# Altium PCB TE0723.PcbDoc (part 1 of 3)
Units mm, origin at the board's own origin, x right, y up, seen from the top; angles counter-clockwise.
Board outline 53.34 x 68.58 mm, 8 copper layers (L 01, L 02, L 03, L 04, L 05, L 06, L 07, L 08), stack 1.565 mm thick; 205 components, 250 nets, 1014 pads, 526 vias.
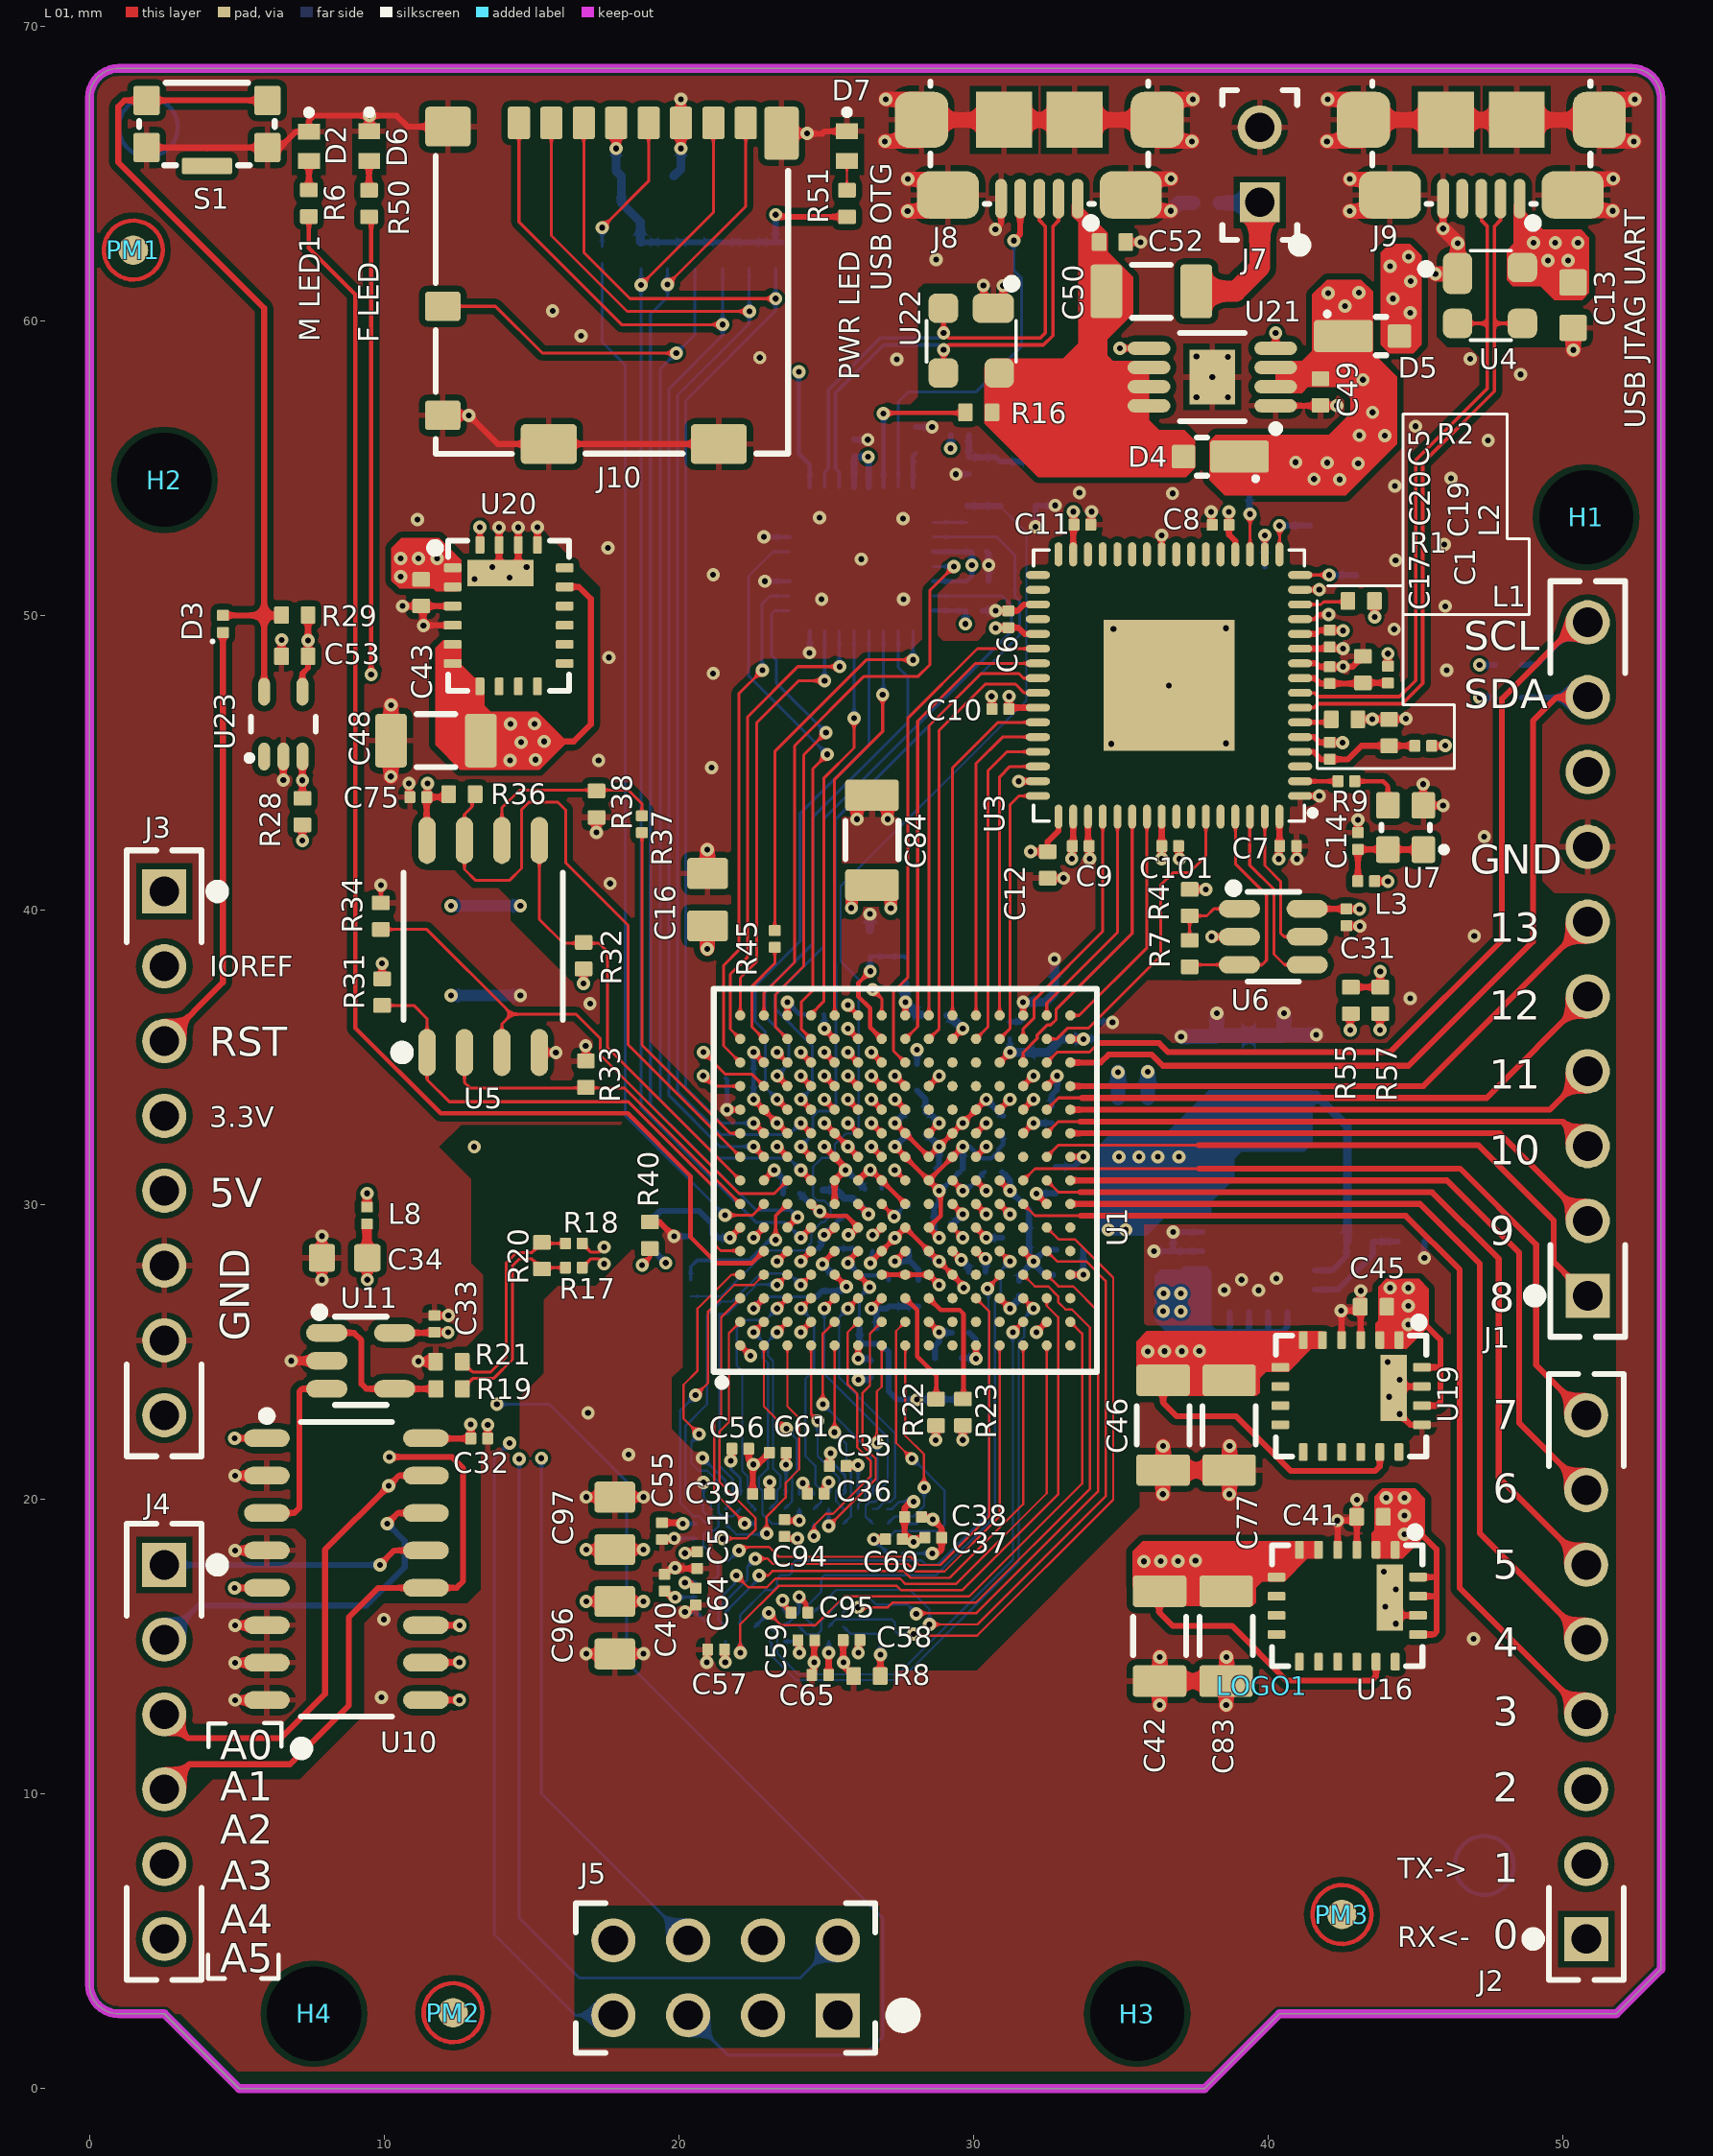
[diagram p0: L 01 view]
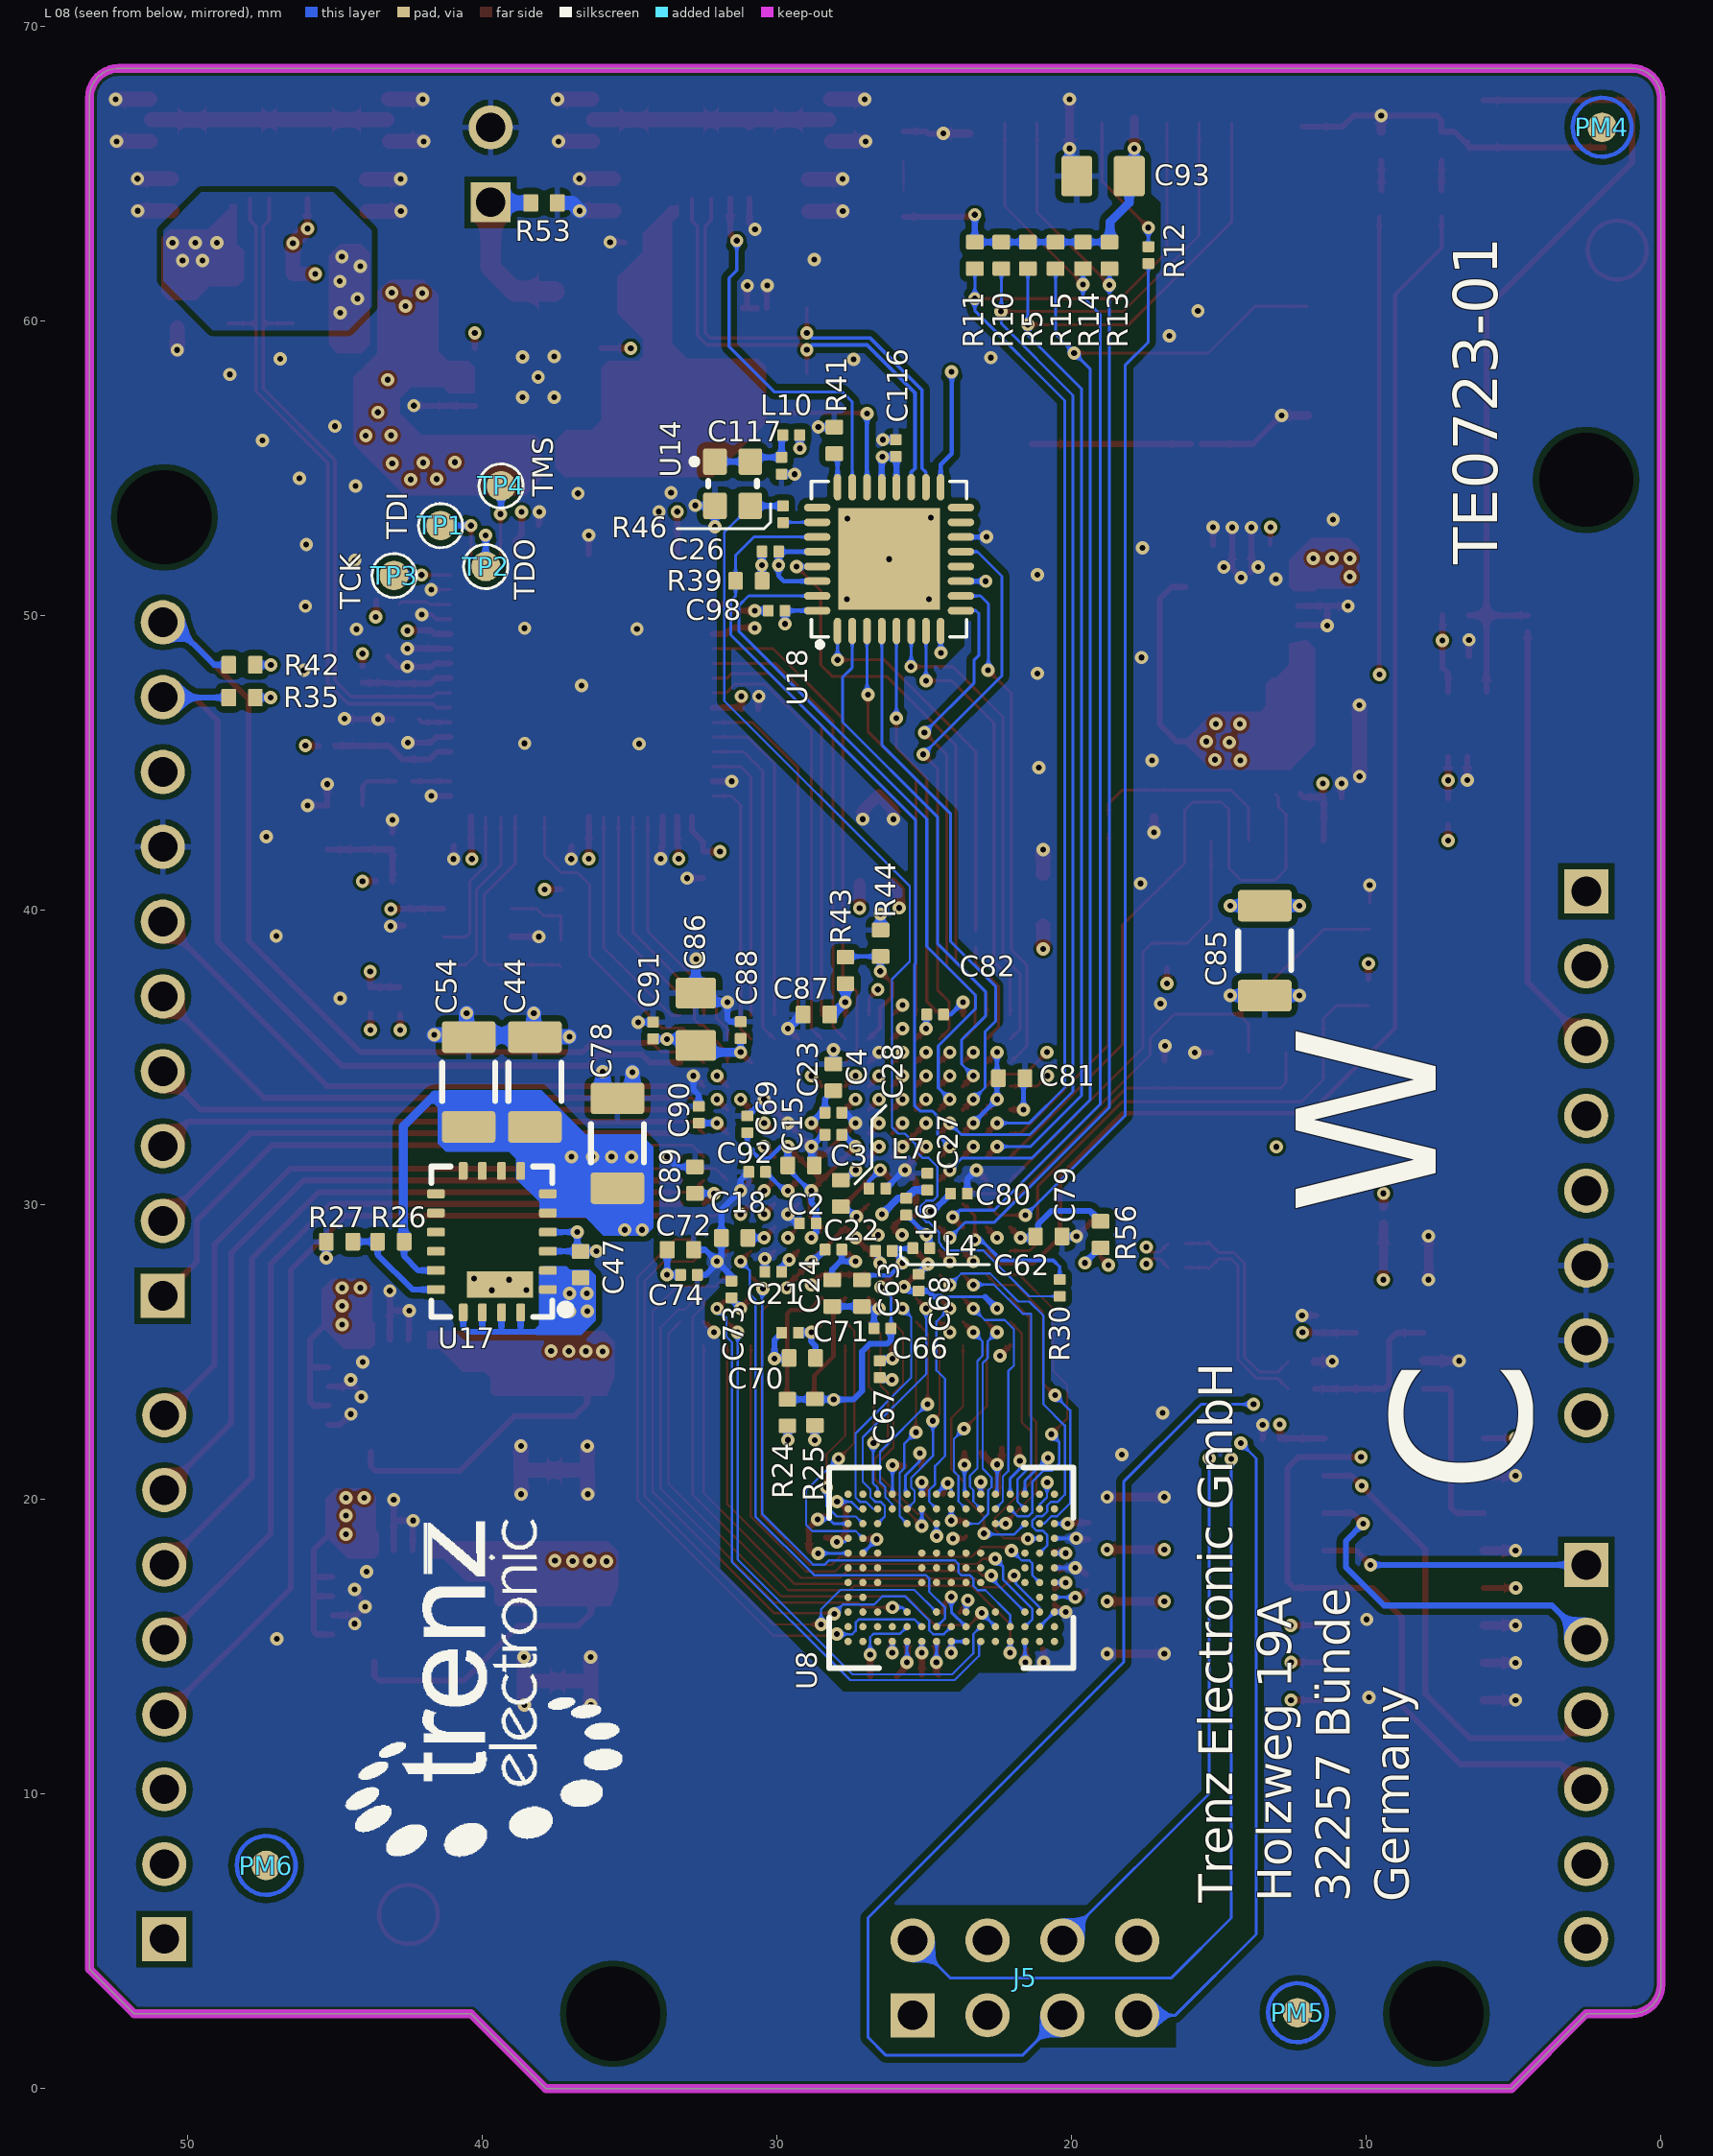
[diagram p1: L 08 view, seen from below]
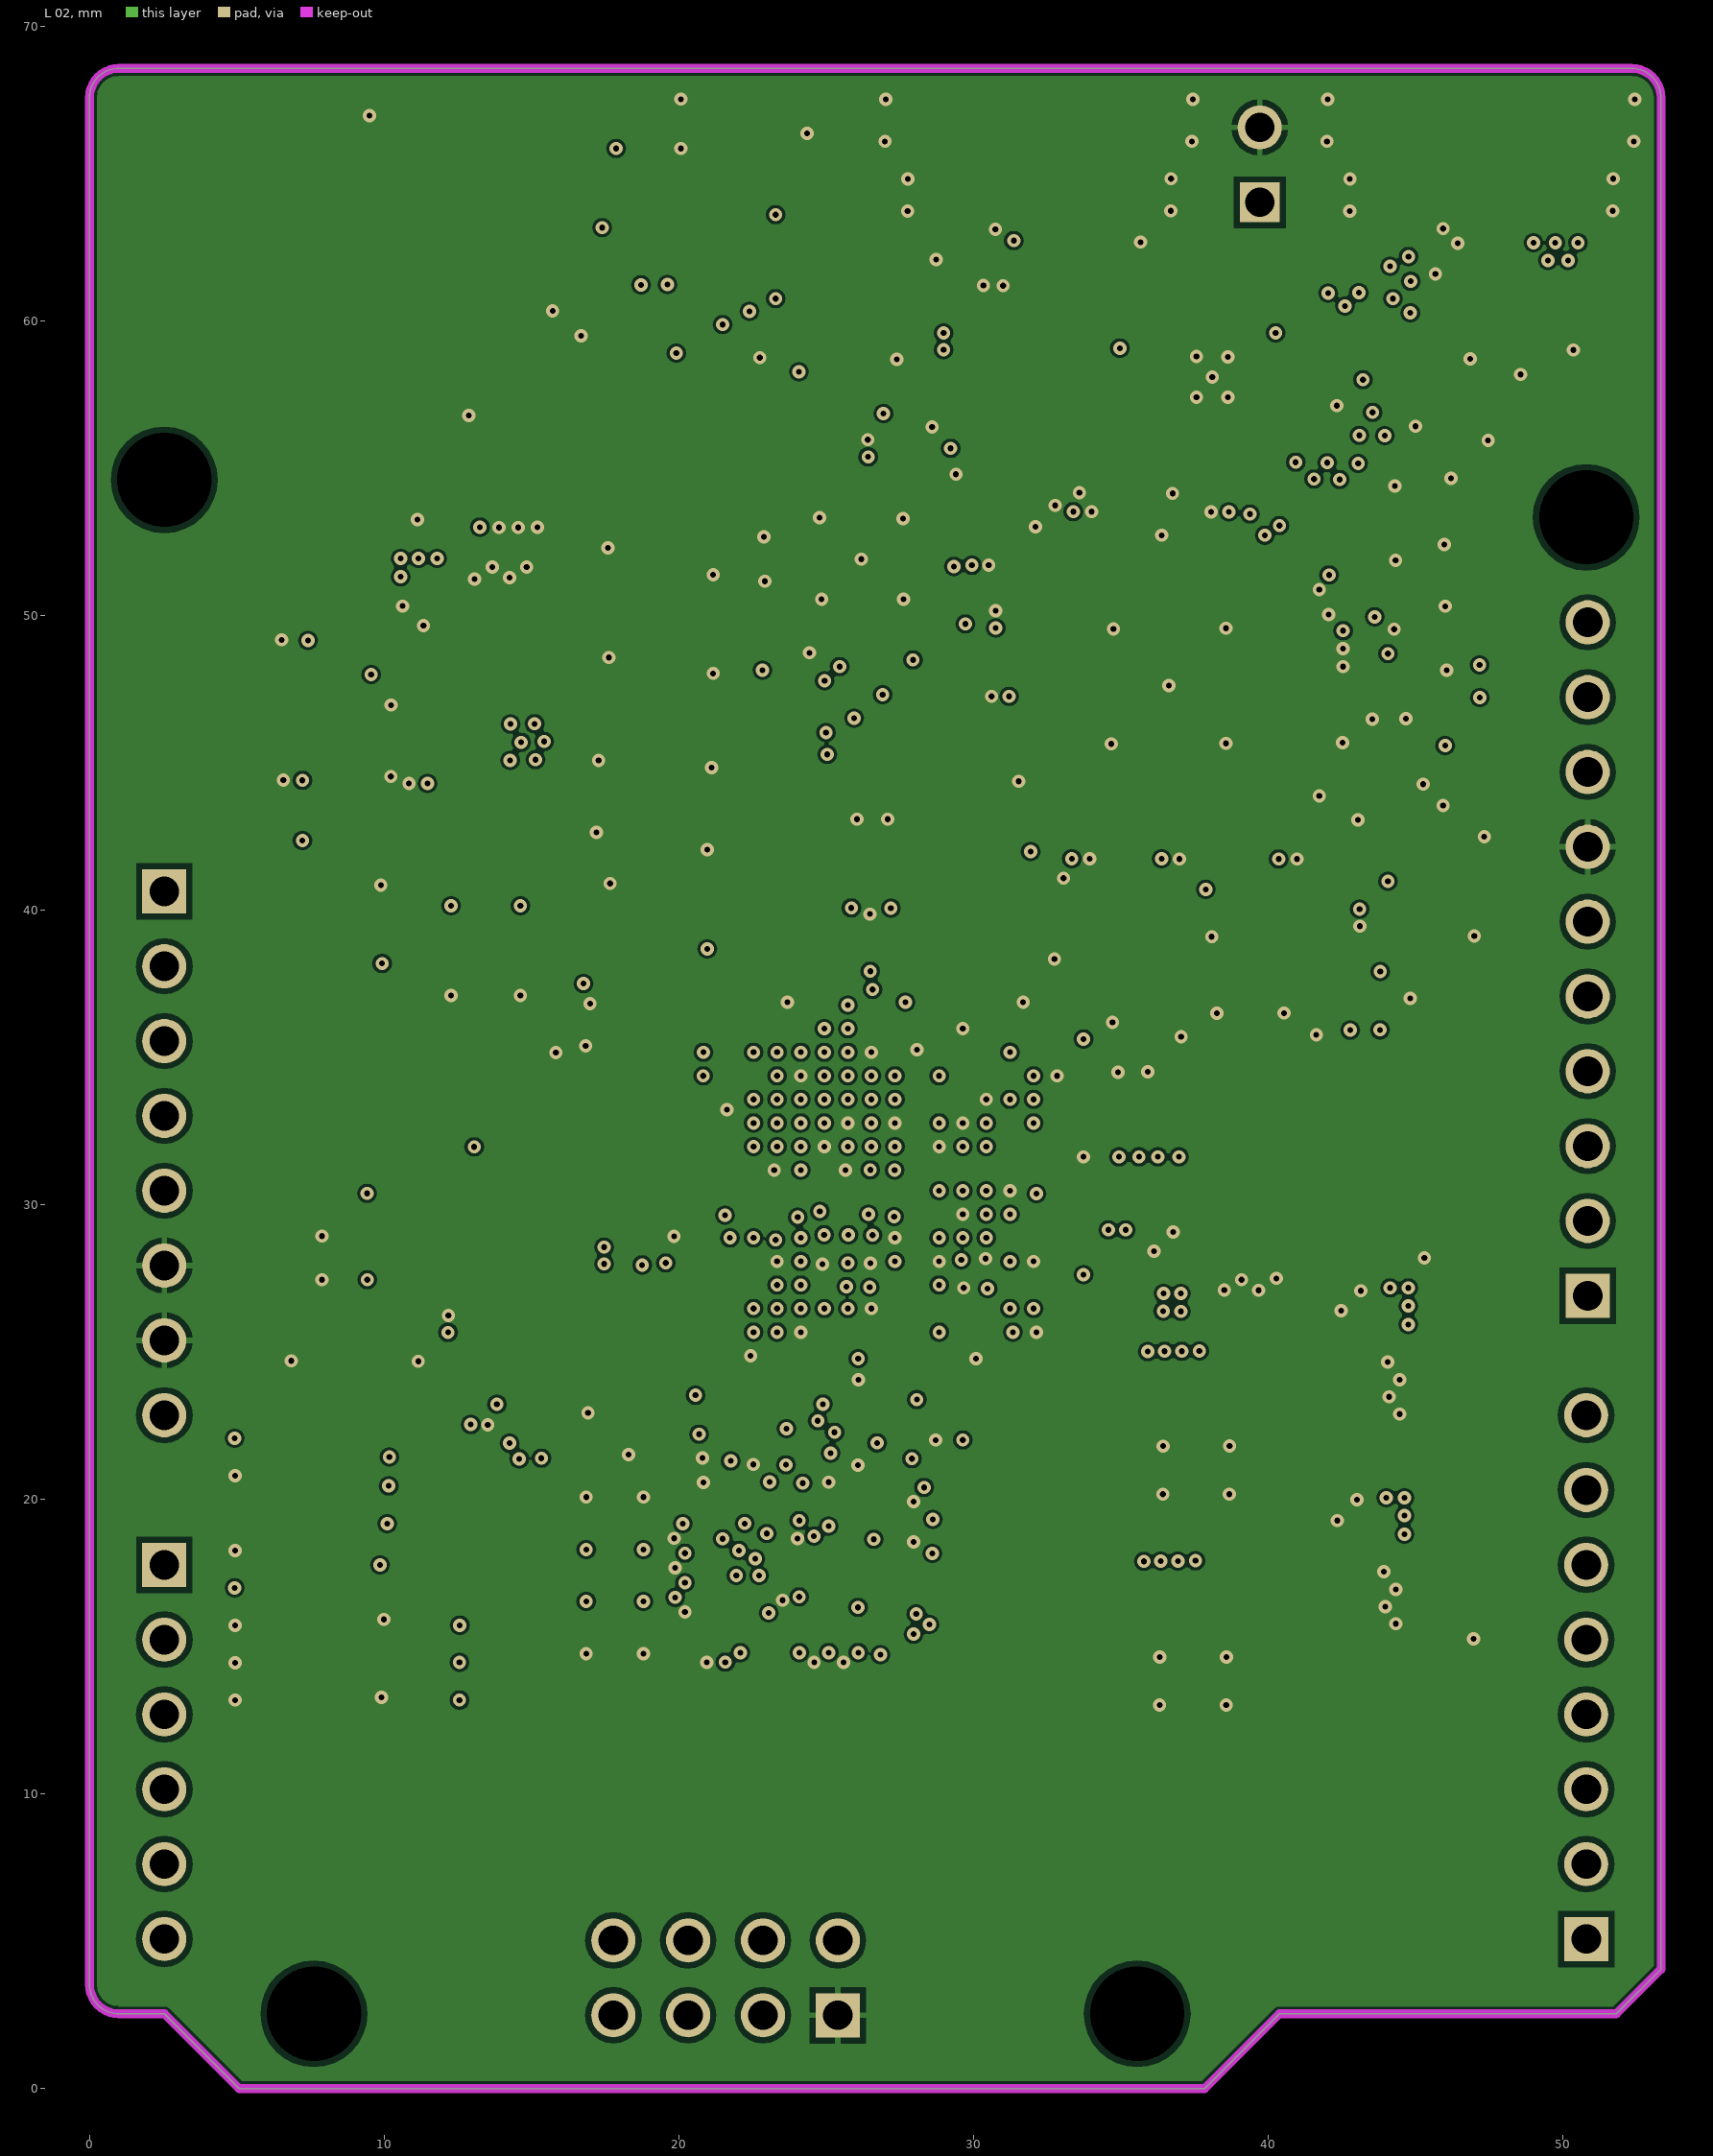
[diagram p2: L 02]
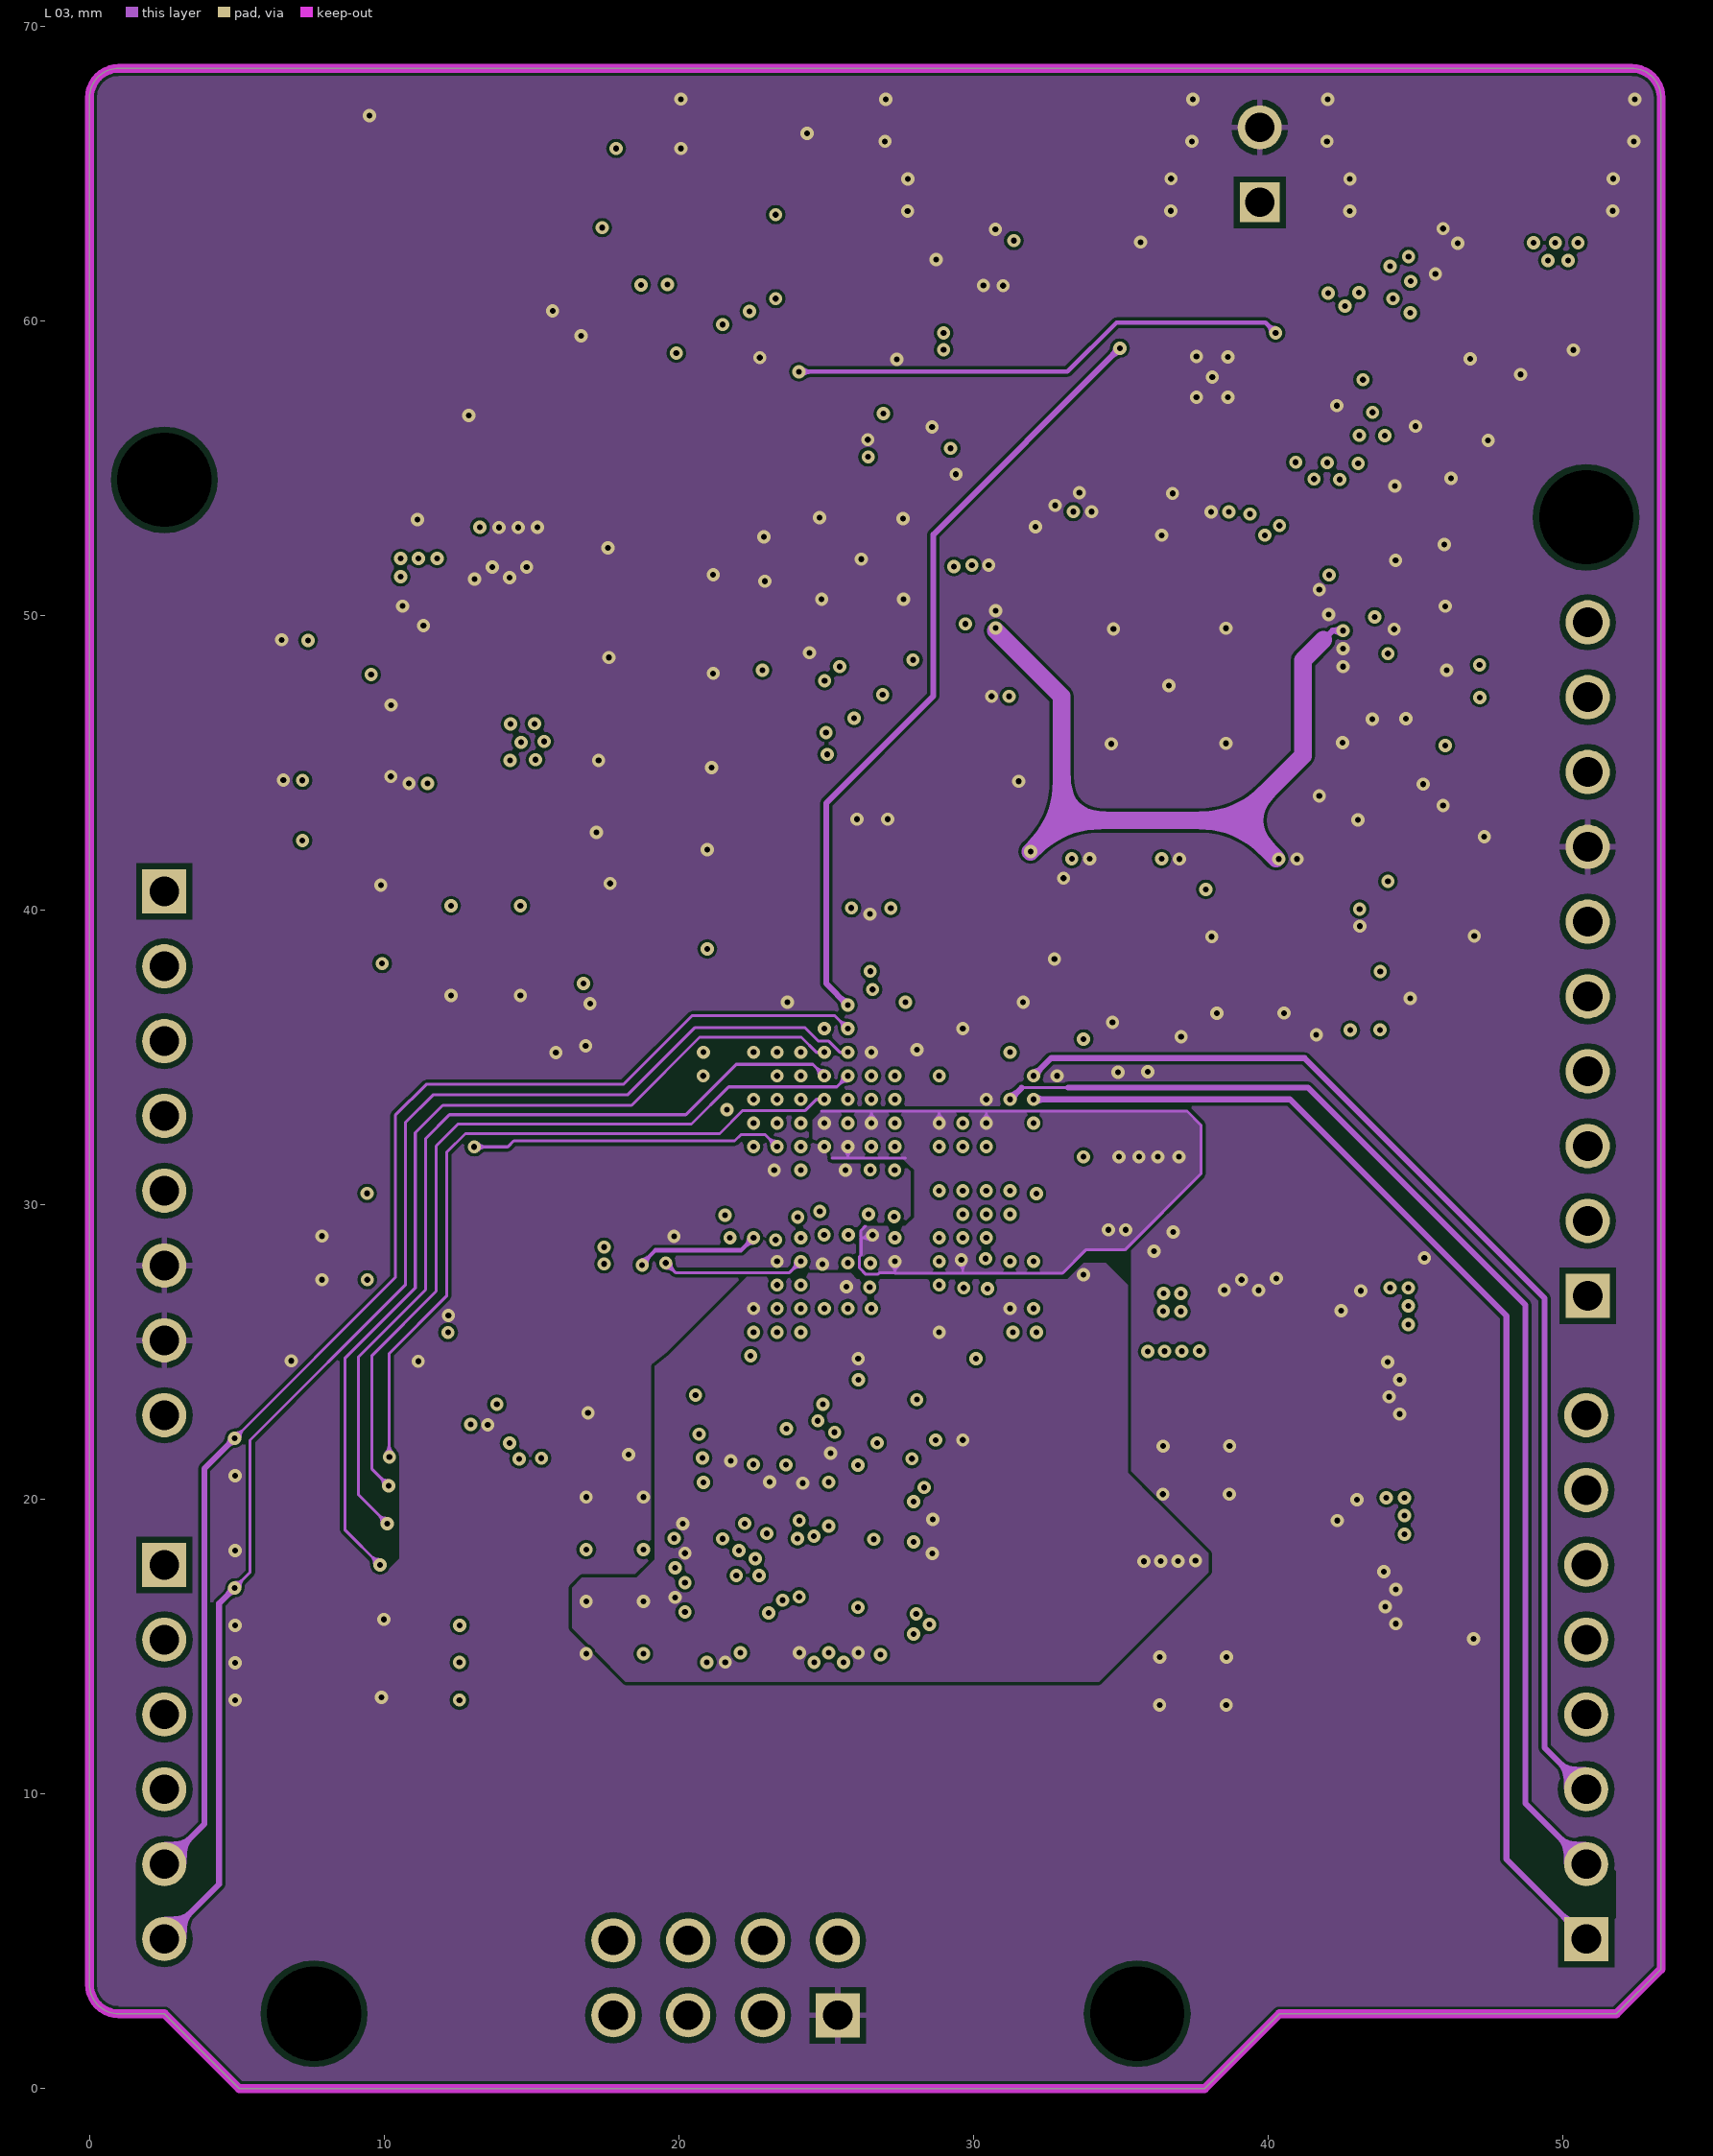
[diagram p3: L 03]